# Altium PCB keyboard_main.PcbDoc (part 2 of 2)
Units mil, origin at the board's own origin, x right, y up, seen from the top; angles counter-clockwise.
Board outline 2610 x 2072.12 mil, 4 copper layers (Top Layer, GND, PWR, Bottom Layer), stack 64.646 mil thick; 116 components, 108 nets, 518 pads, 444 vias.
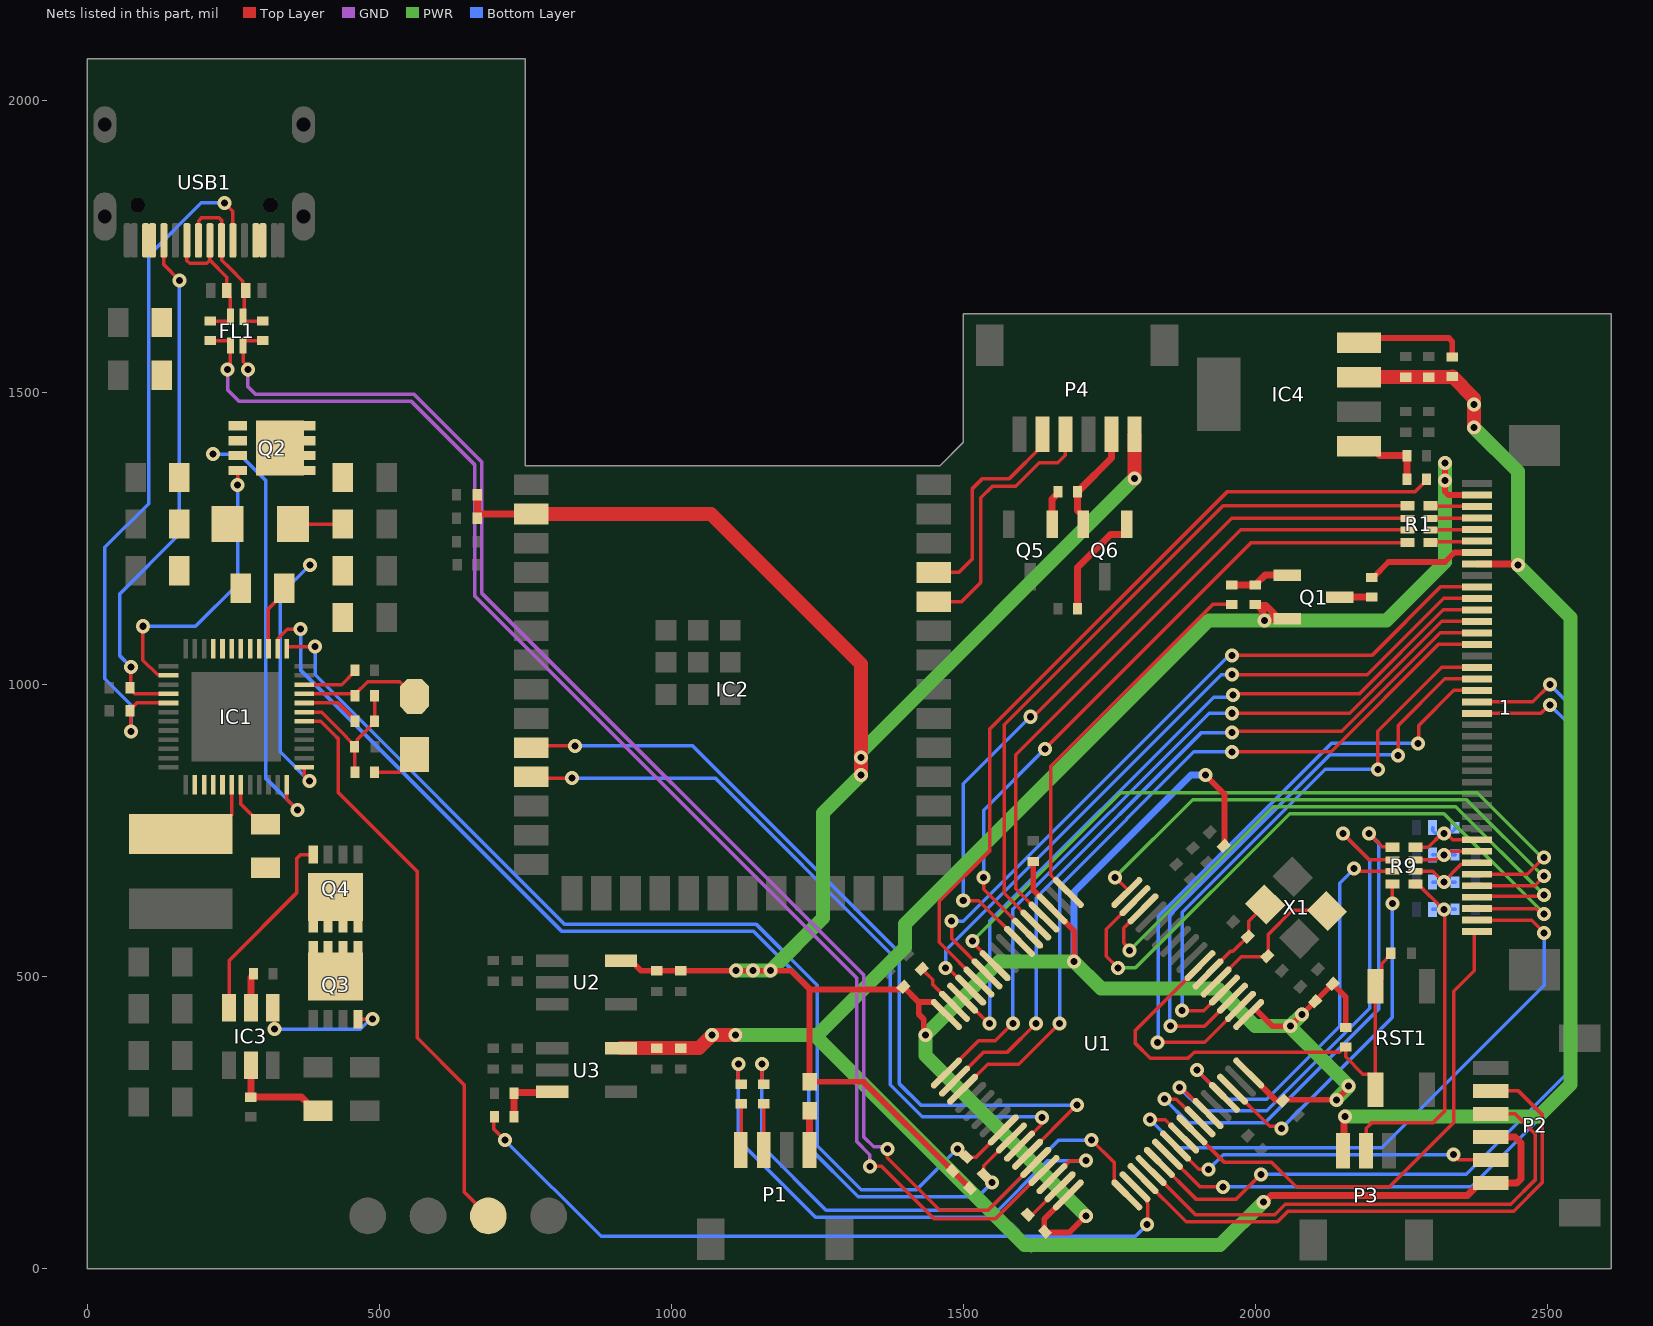
[diagram p4: the nets of this part, all layers, seen from the top]

## Via types
v1: diameter 24, hole 12, Top Layer to Bottom Layer, tented both sides, 444 vias

## Nets (pads, with @x,y where several pads share a name; then routed paths per layer and width w, separated by ;. In a path a pad name is that pad's centre, name@x,y a point inside that pad or via, vN(x,y) a via of type N, cw(c..) or ccw(c..) an arc to the next point about the centre after c; other vN are vias at no path point) (continued)
KEY_POS10: 1.20 U1.53 | length 1586.3
  Top Layer w6: U1.53@1835.78,181.78 1898.56,119 1967.67,119 v1(2010,161.33) ; 1.20@2380,950.91 2489.4,950.91 2503.49,965 v1(2505,965)
  Bottom Layer w6: v1(2010,161.33) 2361.33,161.33 2533,333 2533,937 v1(2505,965)
KEY_POS11: 1.21 U1.54 | length 1629.6
  Top Layer w6: U1.54@1849.71,195.7 1905.41,140 v1(1945,140) ; 1.21@2380,970.59 2475.59,970.59 v1(2505,1000)
  Bottom Layer w6: v1(1945,140) 2370,140 2545,315 2545,960 v1(2505,1000)
KEY_POS12: 1.22 U1.2 | length 1108.9
  Top Layer w6: v1(1832.65,387.35) 1913.3,387.35 U1.2@1974.98,449.03 ; v1(2279,899) 2279,900 2280,901 2280,930 2340.28,990.28 1.22@2380,990.28
  Bottom Layer w6: v1(1832.65,387.35) 1834,388.7 1834,602.94 2131.06,900 2278,900 v1(2279,899)
KEY_POS13: 1.23 U1.3 | length 1041.3
  Top Layer w6: v1(1855,415) 1913.12,415 U1.3@1961.06,462.94 ; v1(2245,879) 2245,930 2324.96,1009.96 1.23@2380,1009.96
  Bottom Layer w6: v1(1855,415) 1854,416 1854,605.97 2128.03,880 2244,880 v1(2245,879)
KEY_POS14: 1.24 U1.4 | length 971.8
  Top Layer w6: v1(1875,441.78) 1912.05,441.78 U1.4@1947.14,476.87 ; v1(2210,855) 2210,920 2319.65,1029.65 1.24@2380,1029.65
  Bottom Layer w6: v1(1875,441.78) 1875,610 2120,855 v1(2210,855)
KEY_SEG1: 1.31 U1.27 | length 1252.7
  Top Layer w6: v1(1480,595) 1480,565.2 1540.5,504.71 U1.27@1540.7,504.71 ; v1(1960,1050) 2200,1050 2317.44,1167.44 1.31@2380,1167.44
  Bottom Layer w6: v1(1480,595) 1500,595 1948.65,1043.65 1948.78,1043.65 1955.13,1050 v1(1960,1050)
KEY_SEG2: 1.30 U1.29 | length 1248.3
  Top Layer w6: v1(1470,515) 1473.37,515 1511.5,476.87 U1.29@1512.86,476.87 ; v1(1960,1017) 2192,1017 2322.76,1147.76 1.30@2380,1147.76
  Bottom Layer w6: v1(1470,515) 1470,545 1942,1017 v1(1960,1017)
KEY_SEG3: 1.29 U1.30 | length 1294.7
  Top Layer w6: U1.30@1498.94,462.94 1500.3,462.94 1543.24,420 v1(1545,420) ; v1(1961.85,982.15) 1963.7,984 2178.09,984 2322.16,1128.07 1.29@2380,1128.07
  Bottom Layer w6: v1(1545,420) 1545,595 1928.71,978.71 1958.41,978.71 v1(1961.85,982.15)
KEY_SEG4: 1.28 U1.33 | length 1343.5
  Top Layer w6: U1.33@1471.1,334.89 1526.21,390 1555,390 v1(1585,420) ; v1(1960,951) 2162.06,951 2319.44,1108.39 1.28@2380,1108.39
  Bottom Layer w6: v1(1585,420) 1585,615 1921,951 v1(1960,951)
KEY_SEG5: 1.27 U1.34 | length 1338.9
  Top Layer w6: U1.34@1485.02,320.97 1534.05,370 1575,370 v1(1625,420) ; v1(1960,918) 1962,920 2148.03,920 2316.73,1088.7 1.27@2380,1088.7
  Bottom Layer w6: v1(1625,420) 1625,635 1908,918 v1(1960,918)
KEY_SEG6: 1.26 U1.35 | length 1334.3
  Top Layer w6: U1.35@1498.94,307.06 1541.88,350 1595,350 v1(1665,420) ; v1(1960,885) 2130,885 2314.02,1069.02 1.26@2380,1069.02
  Bottom Layer w6: v1(1665,420) 1665,655 1895,885 v1(1960,885)
LCD_BLK: R4.1 U1.17 | length 653.3
  Top Layer w6: U1.17@1679.89,643.9 1650,673.79 1650,860 1927.29,1137.29 R4.1@1960,1137.29
LCD_EN: R14.1 U1.50 | length 1299.7
  Top Layer w6: R14.1@697.29,260 696.24,258.95 696.24,238.76 v1(715,220) ; U1.50@1794.03,140.02 1815.72,118.34 1815,117.62 1815,111.73 1815.72,111.01 1815.72,75.72 v1(1815,75)
  Bottom Layer w6: v1(715,220) 880,55 1795,55 v1(1815,75)
LED_EN: R23.1 U1.28 | length 1423.4
  Top Layer w6: U1.28@1526.78,490.78 1459,558.56 1459,629 1545,715 1545,923.35 1951.65,1330 2273.28,1330 2293.37,1350.1 R23.1@2293.37,1352.07
LEDA: 1.34 R7.1 | length 197.8
  Top Layer w10: R7.1@2200,1183.46 2201.97,1183.46 2228.5,1210 2325,1210 2341.5,1226.5 1.34@2380,1226.5
LEFT_A: 1.2 U1.56 | length 1094.5
  Top Layer w6: v1(1820,255) 1846.08,255 U1.56@1877.54,223.54 ; 1.2@2380,596.57 2473.43,596.57 v1(2495,575)
  Bottom Layer w6: v1(1820,255) 1868,207 2217,207 2495,485 v1(2495,575)
LEFT_B: 1.1 U1.57 | length 879.2
  Top Layer w6: U1.57@1891.46,237.45 1946.58,182.33 2027.67,182.33 2070,140 2230,140 2340,250 2340,475 2375,510 2375,573.98 2377.91,576.89 1.1@2380,576.89
LEFT_KEY: 1.6 U1.26 | length 1315.3
  Top Layer w6: v1(1516.22,561.22) 1516.22,558.38 1554.62,519.98 U1.26@1554.62,518.62 ; 1.6@2380,675.32 2466.08,675.32 v1(2495,704.24)
  PWR w6: v1(1516.22,561.22) 1770,815 2380,815 2490.76,704.24 v1(2495,704.24)
Net1_7: 1.7 C10.2 D3.1 R9.6 | length 166.2
  Top Layer w6: R9.6@2274.37,680.32 2304.39,680.32 v1(2323.03,661.67) 2323.03,662.57 2352.56,692.09 2377.09,692.09 1.7@2380,695
  Bottom Layer w6: D3.1@2303.78,661.67 v1(2323.03,661.67) C10.2@2342.29,661.67
Net1_8: 1.8 C9.2 D2.1 R9.7 | length 150.2
  Top Layer w6: R9.7@2274.37,700 2309.83,700 2318.16,708.33 v1(2323.03,708.33) 2327.9,708.33 2334.26,714.68 1.8@2380,714.68
  Bottom Layer w6: D2.1@2303.78,708.33 v1(2323.03,708.33) C9.2@2342.29,708.33
Net1_9: 1.9 C8.2 D1.1 R9.8 | length 170.5
  Top Layer w6: R9.8@2274.37,721.65 2296.65,721.65 2320,745 2327.9,745 2338.53,734.37 1.9@2380,734.37
  Bottom Layer w6: D1.1@2303.78,755 2303.78,750.08 2308.65,745.2 2322.83,745.2 v1(2323.03,745) 2326.19,748.16 2337.41,748.16 2342.29,753.03 C8.2@2342.29,755
Net1_35: 1.35 R1.5 | length 81.2
  Top Layer w6: R1.5@2300,1243.35 2301.42,1244.76 2378.58,1244.76 1.35@2380,1246.18
Net1_36: 1.36 R1.6 | length 80.4
  Top Layer w6: R1.6@2300,1265 2300.43,1265.43 2379.57,1265.43 1.36@2380,1265.87
Net1_37: 1.37 R1.7 | length 80.4
  Top Layer w6: R1.7@2300,1284.68 2300.43,1285.12 2379.57,1285.12 1.37@2380,1285.55
Net1_38: 1.38 R1.8 | length 80.5
  Top Layer w6: R1.8@2300,1306.34 2300.55,1305.79 2379.45,1305.79 1.38@2380,1305.24
NetC1_1: C1.1 U1.5 X1.3 | length 262.1
  Top Layer w6: U1.5@1933.22,490.78 1976.14,533.7 2019.32,533.7 C1.1@2020.72,535.09 2022.11,536.48 2022.11,572.11 2063.65,613.65 2121.54,613.65 X1.3@2122.94,612.26
NetC2_1: C2.1 U1.6 X1.1 | length 161.7
  Top Layer w6: U1.6@1919.3,504.71 1957.7,543.1 1961.92,543.1 1988.7,569.88 1988.7,594.94 X1.1@2017.15,623.39
NetC14_2: C14.2 U1.31 | length 87.3
  Top Layer w6: C14.2@1428.99,513.08 1447.7,494.37 1447.7,486.35 U1.31@1485.02,449.03
NetC15_2: C15.2 U1.47 | length 75.3
  Top Layer w6: C15.2@1610.71,92.27 1611.02,91.96 1617.91,91.96 U1.47@1665.97,140.02
NetC26_1: C26.1 C27.1 C28.1 C38.1 IC1.28 IC1.29 IC1.30 IC1.31 IC1.32 IC1.33 R13.1
NetC37_1: C37.1 IC1.7 | length 89.8
  Top Layer w6: IC1.7@262.87,828.86 262.87,795.55 297.5,760.93 C37.1@305,760.93
NetC37_2: C37.2 IC1.2 IC1.3 IC1.4 IC1.5 IC1.6 L1.2 | length 152.7
  Top Layer w6: L1.2@160,743.98 214.13,743.98 247.13,776.97 IC1.6@247.13,828.86
NetC48_1: C48.1 IC3.5 R19.1 | length 181
  Top Layer w12: IC3.5@280,348.39 R19.1@279.99,293.35 366.65,293.35 376,284 376,281.7 387.5,270.2 C48.1@395,270.2
NetF1_2: F1.2 P1.4 | length 67
  Top Layer w12: P1.4@1236.91,202.99 F1.2@1236.91,270
NetIC1_20: IC1.20 R25.2 | length 101.2
  Top Layer w6: IC1.20@371.14,968.62 429.11,968.62 458.27,939.47 R25.2@458.27,937.5
NetIC1_21: IC1.21 LED1.2 R27.2 | length 211.5
  Top Layer w6: IC1.21@371.14,984.37 455.14,984.37 R27.2@458.27,981.25 458.27,983.22 480.05,1005 534.74,1005 559.74,980 LED1.2@560,980
NetIC1_22: IC1.22 R20.1 | length 98.6
  Top Layer w6: IC1.22@371.14,1000.12 435.36,1000.12 458.27,1023.03 R20.1@458.27,1025
NetIC3_1: IC3.1 Q3.4 | length 239.3
  Top Layer w6: IC3.1@317.4,446.81 315,444.42 320,439.42 v1(320,410) ; Q3.4@463.39,427.17 v1(487.83,427.17)
  Bottom Layer w6: v1(320,410) 467.42,410 484.59,427.17 v1(487.83,427.17)
NetIC3_2: IC3.2 R21.1 | length 59.9
  Top Layer w12: IC3.2@280,446.81 280,498.78 284.25,503.03 R21.1@284.25,505
NetIC3_3: IC3.3 Q4.4 | length 334.4
  Top Layer w6: IC3.3@242.6,446.81 242.6,527.6 358.18,643.18 358.18,702.02 365.21,709.05 Q4.4@386.61,709.05
NetIC4_1: IC4.1 R22.2 R23.2 | length 129
  Top Layer w12: IC4.1@2177.7,1408.48 2197.39,1408.48 2213.8,1392.07 R22.2@2259.91,1392.07 R23.2@2259.91,1352.07
NetIC4_4: IC4.4 R24.1 | length 192.2
  Top Layer w10: IC4.4@2177.7,1585.65 2185.53,1593.48 2331.76,1593.48 2337.62,1587.62 R24.1@2337.62,1561.04
NetLED1_1: LED1.1 R26.2 | length 83.6
  Top Layer w6: R26.2@491.73,850 535,850 560,875 LED1.1@560,880
NetP1_1: P1.1 R2.2 | length 79.8
  Top Layer w6: P1.1@1118.8,202.99 1120,204.19 R2.2@1120,282.29
NetP1_2: P1.2 R3.2 | length 79.3
  Top Layer w6: P1.2@1158.17,202.99 R3.2@1158.17,282.29
NetQ1_1: Q1.1 R4.2 R6.1 | length 103
  Top Layer w12: R4.2@1960,1170.75 R6.1@2000,1170.75 2001.97,1170.75 2003.84,1172.63 2003.84,1174.59 2016.65,1187.4 Q1.1@2055,1187.4
NetQ1_3: Q1.3 R7.2 | length 55
  Top Layer w12: Q1.3@2145,1150 R7.2@2200,1150
NetQ3_5: Q3.5 Q3.6 Q3.7 Q3.8 Q4.5 Q4.6 Q4.7 Q4.8
NetQ5_1: Q5.1 R28.2 | length 59.1
  Top Layer w12: Q5.1@1652.4,1275 1652.4,1318.15 1662.29,1328.03 R28.2@1662.29,1330
NetQ6_1: Q6.1 R29.2 | length 193.8
  Top Layer w12: R29.2@1695.75,1130 1695.75,1200.75 1752.38,1257.38 1776.16,1257.38 1780,1261.22 Q6.1@1780,1275
NetR14_2: R14.2 R15.1 U3.3 | length 106.3
  Top Layer w12: R14.2@730.75,260 R15.1@730.75,300 732.05,301.3 794.65,301.3 U3.3@795.94,302.6
nRST: C3.1 R8.1 RST1.1 U1.7 | length 886.3
  Top Layer w6: U1.7@1905.38,518.62 1795,408.24 1795,385.32 1820.32,360 1885,360 1895.5,370.5 2144.29,370.5 2153.03,379.25 R8.1@2155,379.25 2155,370.81 2155,362.37 2184.43,332.95 2194.93,332.95 RST1.1@2205.71,322.17 ; RST1.1@2205.71,306.42 RST1.1@2205.71,322.17 ; C3.1@2232.28,540 2232.28,538.03 2216.49,522.24 2216.49,494.36 RST1.1@2205.71,483.58 RST1.1@2205.71,322.17
NTC: IC1.18 TP3.1 | length 994.6
  Top Layer w6: IC1.18@371.14,937.13 399.85,937.13 422,914.97 430,906.97 430,815 565,680 565,395 645,315 645,131.67 TP3.1@686.67,90
RES: R1.4 U1.22 | length 1157.4
  Top Layer w6: v1(1535,670) 1535,649.59 U1.22@1610.29,574.3 ; v1(1640,890) 1993.35,1243.35 R1.4@2260.63,1243.35
  Bottom Layer w6: v1(1535,670) 1535,785 v1(1640,890)
RGB: C11.2 D6.1 P3.2 R9.5 | length 637
  Top Layer w6: P3.2@2190,201.46 2190,240 2200,250 2305,250 2325,270 2325,613.03 v1(2323.03,615) 2321.97,615 2278.31,658.66 R9.5@2274.37,658.66
  Bottom Layer w6: D6.1@2303.78,615 v1(2323.03,615) C11.2@2342.29,615
RS: R1.3 U1.20 | length 1127.9
  Top Layer w6: U1.20@1638.13,602.14 1590,650.27 1590,880 1975,1265 R1.3@2260.63,1265
RTS: P4.2 Q6.2 R28.1 | length 182.8
  Top Layer w12: Q6.2@1705.2,1275 1705.2,1288.78 1695.75,1298.23 1695.75,1331.97 1697.63,1333.85 1699.59,1333.85 1754.06,1388.31 P4.2@1754.06,1428.54
SCL: R1.1 U1.21 | length 1211.6
  Top Layer w6: U1.21@1624.22,588.22 1570,642.44 1570,931.37 1944.96,1306.34 R1.1@2260.63,1306.34
SDA: R1.2 U1.23 | length 1274.2
  Top Layer w6: v1(1500,630) 1526.76,630 U1.23@1596.38,560.38 ; v1(1615,945) 1620,945 1959.68,1284.68 R1.2@2260.63,1284.68
  Bottom Layer w6: v1(1500,630) 1500,830 v1(1615,945)
SW_CC1: C16.1 IC1.41 USB1.A5 | length 1211
  Top Layer w6: v1(75,920) 73.86,921.14 73.86,953.86 C16.1@72.72,955 72.72,956.97 84.37,968.62 IC1.41@138.86,968.62 ; v1(235,1825) 249.21,1810.79 USB1.A5@249.21,1760.79
  Bottom Layer w6: v1(75,920) 75,965 30,1010 30,1235 105,1310 105,1735 195,1825 v1(235,1825)
SW_CC2: C17.1 IC1.40 USB1.B5 | length 900.1
  Top Layer w6: v1(75,1030) 73.86,1028.86 73.86,996.14 C17.1@72.72,995 72.72,993.03 81.38,984.37 IC1.40@138.86,984.37 ; USB1.B5@131.1,1760.79 131.1,1718.9 v1(157.5,1692.5)
  Bottom Layer w6: v1(75,1030) 55,1050 55,1155 157.5,1257.5 v1(157.5,1692.5)
SW_GATEC: IC1.38 Q2.4 | length 499.1
  Top Layer w6: v1(95,1100) 95,1042.08 120.27,1016.8 137.92,1016.8 IC1.38@138.86,1015.87 ; v1(257.17,1342.17) Q2.4@257.17,1366.61
  Bottom Layer w6: v1(95,1100) 185,1100 257.17,1172.17 v1(257.17,1342.17)
SW_KEY_A: 1.4 U1.14 | length 1080
  Top Layer w6: v1(1785,545) 1785,547.51 1775,557.51 1775,583.12 U1.14@1807.94,616.06 ; 1.4@2380,635.94 2381.84,637.78 2493.16,637.78 v1(2495,639.62)
  PWR w6: v1(1785,545) 2031,791 2343.62,791 v1(2495,639.62)
SW_KEY_B: 1.3 U1.15 | length 1172.7
  Top Layer w6: v1(1765,515) 1745,535 1745,580.95 U1.15@1794.03,629.98 ; 1.3@2380,616.26 2481.18,616.26 2490.13,607.31 v1(2495,607.31)
  PWR w6: v1(1765,515) 1795,515 2059,779 2323.31,779 v1(2495,607.31)
SW_KEY_NET2: 1.5 U1.16 | length 1001.7
  Top Layer w6: v1(1760,670) 1781.46,648.54 1781.46,645.26 U1.16@1780.11,643.9 ; 1.5@2380,655.63 2478.7,655.63 v1(2495,671.93)
  PWR w6: v1(1760,670) 1893,803 2362,803 2493.07,671.93 v1(2495,671.93)
SW_OUTP: C29.1 C30.1 C31.1 C32.1 C38.2 IC1.13 IC1.27 Q2.5 Q2.6 Q2.7 Q2.8 R13.2 | length 639.2
  Top Layer w6: IC1.27@310.12,1061.14 310.12,1130.22 337.4,1157.5 C38.2@337.4,1165 ; R13.2@352.09,1275 C29.1@437.6,1275 ; IC1.13@371.14,858.39 371.14,843.86 v1(380,835)
  Bottom Layer w6: v1(380,835) 330,885 330,1153.79 v1(380.89,1204.68)
SW_SCL: IC1.26 R16.2 U1.41 | length 1965.5
  Top Layer w6: IC1.26@325.87,1061.14 326.8,1062.08 326.8,1079.73 342.08,1095 v1(365,1095) ; v1(1549.29,146.92) R16.2@1535.25,160.96 1533.86,162.35 1533.86,169.25 1535.25,170.64 1535.25,176.34 U1.41@1582.46,223.54
  Bottom Layer w6: v1(365,1095) 365,1025 812,578 1140.03,578 1235,483.03 1235,208.03 1320.03,123 1525.37,123 v1(1549.29,146.92)
SW_SDA: IC1.25 R17.2 U1.40 | length 1859.9
  Top Layer w6: IC1.25@341.61,1061.14 341.61,1064.06 342.55,1065 v1(390,1065) ; v1(1490,205) 1504.04,190.96 R17.2@1505.25,190.96 1506.64,189.57 1513.54,189.57 1514.93,190.96 1522.05,190.96 U1.40@1568.54,237.45
  Bottom Layer w6: v1(390,1065) 390,1016.97 816.97,590 1145,590 1250,485 1250,210 1325,135 1420,135 v1(1490,205)
SW_VBUSC: C24.2 C25.2 IC1.12 Q2.1 Q2.2 Q2.3 USB1.A4 USB1.A9 USB1.B4 USB1.B9 | length 747.9
  Top Layer w6: IC1.12@341.61,828.86 341.61,803.39 v1(360,785)
  Bottom Layer w6: v1(215,1395) 260,1395 305,1350 305,840 v1(360,785)
SW_VCC: C46.2 IC1.19 R25.1 R26.1 R27.1 | length 258.3
  Top Layer w6: IC1.19@371.14,952.87 401.07,952.87 443.21,910.74 443.21,909.8 457.29,895.72 C46.2@457.29,893.75 ; R26.1@458.27,850 457.78,850.49 457.78,893.26 C46.2@457.29,893.75 ; R27.1@491.73,981.25 R25.1@491.73,937.5 491.73,935.53 462.16,905.96 462.16,898.62 C46.2@457.29,893.75
SWCLK/PA14: R3.1 U1.49 | length 954.6
  Top Layer w6: v1(1155,350) 1155,318.92 R3.1@1158.17,315.75 ; v1(1720,220) 1758.42,181.58 1758.42,147.79 U1.49@1780.11,126.1
  Bottom Layer w6: v1(1155,350) 1155,210 1265,100 1543.03,100 1663.03,220 v1(1720,220)
SWDIO/PA13: R2.1 U1.46 | length 927.1
  Top Layer w6: v1(1115,350) 1115,320.63 1119.87,315.75 R2.1@1120,315.75 ; U1.46@1652.06,153.94 1683.12,185 v1(1710,185)
  Bottom Layer w6: v1(1115,350) 1115,220 1247,88 1548,88 1645,185 v1(1710,185)
TOUCH: P2.2 U1.55 | length 570.4
  Top Layer w6: U1.55@1863.62,209.62 1903.24,170 v1(1920,170) ; v1(2340,195) 2349.06,185.94 P2.2@2403.54,185.94
  Bottom Layer w6: v1(1920,170) 1945,195 v1(2340,195)
U0RXD: IC2.36 P4.4 | length 450.2
  Top Layer w6: IC2.36@1449.49,1142.09 1497.09,1142.09 1530,1175 1530,1320 1550,1340 1590,1340 1630,1380 1662.17,1380 1674.71,1392.55 1674.71,1427.94 P4.4@1675.31,1428.54
U0TXD: IC2.37 P4.5 | length 365.6
  Top Layer w6: IC2.37@1449.49,1192.09 1492.09,1192.09 1515,1215 1515,1335 1533.02,1353.02 1579.12,1353.02 1635.94,1409.84 P4.5@1635.94,1428.54
UART4_RX: P2.4 U1.52 | length 883
  Top Layer w6: U1.52@1821.87,167.86 1897.73,92 2033.21,92 2051.21,110 2437.54,110 2480,152.46 2480,230 2445.31,264.68 P2.4@2403.54,264.68
UART4_TX: P2.5 U1.51 | length 963.6
  Top Layer w6: U1.51@1807.94,153.94 1881.88,80 2038.18,80 2056.18,98 2442.51,98 2492,147.49 2492,263 2450.94,304.06 P2.5@2403.54,304.06
USART1_RX: IC2.10 U1.43 | length 1441.9
  Top Layer w6: IC2.10@760.51,892.09 763.43,895 v1(835,895) ; U1.43@1610.29,195.7 1694.59,280 v1(1695,280)
  Bottom Layer w6: v1(835,895) 1036.97,895 1390,541.97 1390,316.97 1426.97,280 v1(1695,280)
USART1_TX: IC2.11 U1.42 | length 1313.2
  Top Layer w6: IC2.11@760.51,842.09 762.6,840 v1(830,840) ; U1.42@1596.38,209.62 1635,248.24 v1(1635,259)
  Bottom Layer w6: v1(830,840) 1075,840 1375,540 1375,315 1430,260 1634,260 v1(1635,259)
USB_FS_N: FL1.4 R11.1 U1.44 | length 2384.3
  Top Layer w6: v1(275,1540) 275,1544.87 266.65,1553.22 FL1.4@266.65,1580.79 266.65,1586.34 269.56,1589.25 R11.1@300,1589.25 ; v1(1370,205) 1370,190 1460,100 1542.44,100 U1.44@1624.22,181.78
  GND w6: v1(275,1540) 275,1510 288,1497 559.97,1497 675,1381.97 675,1156.97 1330,501.97 1330,225 1346.56,208.44 1366.56,208.44 v1(1370,205)
USB_FS_P: FL1.1 R10.1 U1.45 | length 2447.8
  Top Layer w6: R10.1@210,1589.25 242.09,1589.25 245,1586.34 245,1549.87 240,1544.87 v1(240,1540) ; v1(1340,175) 1360,175 1450,85 1555.27,85 U1.45@1638.13,167.86
  GND w6: v1(240,1540) 240,1505 260,1485 555,1485 663,1377 663,1152 1318,497 1318,217 1340,195 v1(1340,175)
USB_N: D5.1 FL1.3 R11.2 USB1.A7 USB1.B7 | length 300.8
  Top Layer w6: USB1.A7@190.16,1760.79 190.59,1761.22 190.59,1794.78 195.81,1800 225,1800 229.66,1795.35 229.66,1760.91 USB1.B7@229.53,1760.79 230.23,1760.08 230.23,1727.06 244.21,1713.08 266.35,1690.95 266.35,1679.87 D5.1@271.22,1675 268.94,1672.72 268.94,1632.28 FL1.3@266.65,1630 266.65,1625.62 269.56,1622.71 R11.2@300,1622.71
USB_P: D4.1 FL1.2 R10.2 USB1.A6 USB1.B6 | length 297.7
  Top Layer w6: USB1.B6@170.34,1760.66 170.34,1726.23 175,1721.57 204.19,1721.57 209.41,1726.79 209.41,1760.35 USB1.A6@209.84,1760.79 209.84,1726.79 238.78,1697.85 238.78,1670.08 245,1663.86 FL1.2@245,1630 245,1625.62 242.09,1622.71 R10.2@210,1622.71
VCC3V3: C4.2 C5.2 C6.2 C7.2 C12.2 C13.2 C20.1 C21.1 C43.2 C44.2 F1.1 IC2.2 P4.1 R8.2 R12.1 R16.1 R17.1 U1.1 U1.19 U1.32 U1.48 U1.64 U2.5 | length 6216.1
  Top Layer w10: U2.5@914.06,527.4 930.79,527.4 948.19,510 C20.1@975,510 C21.1@1016.43,510 v1(1110.71,510) v1(1140,510) v1(1170,510) 1205,510 1236.91,478.09 ; v1(1435,400.08) 1432.35,402.73 1432.35,427.08 1423.79,435.64 1423.79,456.2 ; U1.32@1471.1,435.11 1450,456.2 1423.79,456.2 ; R16.1@1511.59,137.3 R17.1@1481.59,167.3 1328.89,320 F1.1@1236.91,320 1236.91,478.09 ; C5.2@1620,697.29 1620,648.12 U1.19@1652.06,616.06 1690,578.12 v1(1690,526) ; U1.48@1679.89,126.1 1638.64,84.84 1638.64,64.34 C12.2@1640.03,62.95 1641.42,61.56 1681.56,61.56 v1(1710,90) ; v1(1915,845) 1947.53,812.47 1947.53,725.26 R12.1@1946.14,723.86 ; U1.64@1988.9,334.89 2036.27,287.53 2040.63,287.53 2042.02,286.14 2046.09,286.14 C13.2@2047.48,287.53 2048.87,288.92 v1(2138.92,288.92) 2160,310 v1(2160,312.5) ; U1.1@1988.9,435.11 1998.93,445.13 1999.6,445.13 2029.73,415 v1(2060.05,415) v1(2080.16,435.11) C7.2@2102.52,457.47 C6.2@2132.52,487.47 2155,464.99 R8.2@2155,412.71 ; 1236.91,478.09 1389.07,478.09 1393.46,482.47 C4.2@1397.52,482.47 1423.79,456.2
  Top Layer w12: C44.2@667.71,1285 C44.2@667.71,1286.97 ; C43.2@667.71,1325 C44.2@667.71,1286.97 ; IC2.2@760.51,1292.09 672.83,1292.09 C44.2@667.71,1286.97
  Top Layer w24: IC2.2@760.51,1292.09 1067.91,1292.09 1325,1035 v1(1325,875) v1(1325,845) ; v1(1793.43,1353.43) P4.1@1793.43,1428.54
  PWR w24: v1(1110.71,510) v1(1140,510) v1(1170,510) 1260,600 1260,780 v1(1325,845) 1325,885 v1(1793.43,1353.43) ; v1(1710,90) 1435,365 v1(1435,400.08) 1560.92,526 v1(1690,526) 1736,480 1935,480 2000,415 v1(2060.05,415) ; v1(2080.16,435.11) v1(2060.05,415) ; v1(2138.92,288.92) 2138.92,290.17 2160,311.25 v1(2160,312.5) 2160,313.78 2060.05,413.72 v1(2060.05,415)
  Bottom Layer w10: v1(2060.05,415) v1(2080.16,435.11) ; v1(2138.92,288.92) 2138.92,290.17 2160,311.25 v1(2160,312.5)
  Bottom Layer w12: v1(1690,526) 1690,645 1890,845 v1(1915,845)
VCC3V3_1A: 1.33 C51.1 C52.1 IC4.3 P3.1 R24.2 | length 2036.2
  Top Layer w12: P3.1@2150.63,201.46 2152.28,203.1 2152.28,258.35 v1(2153.92,260) ; 1.33@2380,1206.81 2448.19,1206.81 v1(2450,1205)
  Top Layer w24: IC4.3@2177.7,1526.59 C52.1@2257.62,1526.59 C51.1@2297.62,1526.59 2336.63,1526.59 R24.2@2337.62,1527.57 2375,1490.19 v1(2375,1480) v1(2375,1440)
  PWR w24: v1(2153.92,260) 2485,260 2540,315 2540,1115 v1(2450,1205) 2450,1365 v1(2375,1440) v1(2375,1480)
VCC_LCD: 1.39 C41.1 C42.1 P2.1 P2.3 Q1.2 R6.2 U3.5 | length 3758.1
  Top Layer w10: v1(2325,1380) 2325,1330.78 2330.86,1324.92 1.39@2380,1324.92
  Top Layer w12: v1(2014.21,114.21) 2016.45,114.21 2027.24,125 2363.27,125 2384.84,146.57 2447.97,146.57 2455,153.6 2455,215 2445,225 2403.86,225 P2.3@2403.54,225.32 ; R6.2@2003.84,1135.41 2013.64,1125.62 2013.64,1112.3 v1(2015.93,1110) 2017.23,1111.3 2053.7,1111.3 Q1.2@2055,1112.6 2041.22,1112.6 2018.41,1135.41 R6.2@2003.84,1135.41 ; R6.2@2003.84,1135.41 2001.97,1137.29 R6.2@2000,1137.29 2001.87,1135.41 R6.2@2003.84,1135.41
  Top Layer w24: U3.5@914.06,377.4 C41.1@975,377.4 C42.1@1016.43,377.4 1047.4,377.4 v1(1070,400) v1(1110,400)
  PWR w24: v1(1070,400) v1(1110,400) 1245,400 1605,40 1940,40 v1(2014.21,114.21) ; 1247.5,397.5 1400,550 1400,590 1920,1110 v1(2015.93,1110) 2225,1110 2325,1210 v1(2325,1350) v1(2325,1380)
WS2812_CTR1: R9.1 U1.58 | length 897.4
  Top Layer w6: v1(1845,290) 1865,290 1880.01,274.99 1880.41,274.99 1904.02,251.38 U1.58@1905.38,251.38 ; v1(2195,745) 2217.7,722.3 2234.36,722.3 R9.1@2235,721.65
  Bottom Layer w6: v1(1845,290) 1885,250 2016.97,250 2212,445.03 2212,728 v1(2195,745)
WS2812_CTR2: R9.2 U1.59 | length 905.4
  Top Layer w6: v1(1870.09,310.37) 1872.86,310.37 1917.94,265.29 U1.59@1919.3,265.29 ; v1(2150,745) 2195,700 R9.2@2235,700
  Bottom Layer w6: v1(1870.09,310.37) 1870.09,309.91 1910,270 2020,270 2196,446 2196,699 v1(2150,745)
WS2812_CTR3: R9.3 U1.61 | length 731.9
  Top Layer w6: v1(1900,340) 1900.14,340 1947,293.13 U1.61@1947.14,293.13 ; v1(2169,685) 2170,685 2174.68,680.32 R9.3@2235,680.32
  Bottom Layer w6: v1(1900,340) 1950,290 2020,290 2145,415 2145,660 2169,684 v1(2169,685)
WS2812_CTR4: R9.4 U1.62 | length 609.1
  Top Layer w6: U1.62@1961.06,307.06 2024.67,243.44 2041.56,243.44 v1(2045,240) ; v1(2235,625) R9.4@2235,658.66
  Bottom Layer w6: v1(2045,240) 2235,430 v1(2235,625)
pads on no net: 1.0 IC1.1 IC1.8 IC1.9 IC1.10 IC1.11 IC1.14 IC1.15 IC1.16 IC1.34 IC1.35 IC1.36 IC1.37 IC1.39 IC1.42 IC1.43 IC1.44 IC1.45 IC1.46 IC1.47 IC1.48 IC2.4 IC2.5 IC2.6 IC2.7 IC2.8 IC2.9 IC2.12 IC2.13 IC2.14 IC2.15 IC2.16 IC2.17 IC2.18 IC2.19 IC2.20 IC2.21 IC2.22 IC2.23 IC2.24 IC2.25 IC2.26 IC2.28 IC2.29 IC2.30 IC2.31 IC2.32 IC2.33 IC2.34 IC2.35 IC2.38 IC2.39 IC3.4 P1.MP1 P1.MP2 P2.MP1 P2.MP2 P3.MP1 P3.MP2 P4.MP1 P4.MP2 U2.4 U3.4 USB1.0 USB1.1 USB1.2 USB1.3 USB1.4 USB1.A8 USB1.B8

## Polygon pours and split planes (outlines as drawn)
GND on Top Layer "NONET_L-01_P-001" (solid, remove dead copper, pour order 20): -50,2140 -50,-50 -45,-55 2705,-55 2705,2140
VCC3V3 on Top Layer "NONET_L-01_P-001" (solid, remove dead copper, pour order 16): 885,555 885,520 905,500 1085,500 1100,485 1185,485 1220,450 1220,305 1325,305 1505,125 1525,125 1530,130 1275,385 1275,430 1380,430 1430,380 1465,380 1495,410 1410,495 1390,495 1380,485 1290,485 1215,560 890,560
BAT+ on Top Layer "NONET_L-01_P-001" (solid, remove dead copper, pour order 14): 675,520 680,515 825,515 830,510 830,475 820,465 690,465 675,450 675,370 685,360 825,360 860,395 860,545 855,550 680,550 675,545
SW_VBUSC on Top Layer "NONET_L-01_P-001" (solid, remove dead copper, pour order 12): 78.82,1828.82 95,1812.64 95,1665 85,1655 85,1550 115,1520 140,1520 170,1550 170,1635 120,1685 120,1810 145,1835 255,1835 285,1805 285,1730 290,1725 300,1725 305,1730 305,1845 265,1885 135,1885
SW_VBUSC on Top Layer "NONET_L-01_P-001" (solid, remove dead copper, pour order 10): 275,1380 190,1380 85,1485 85,1655 170,1655 170,1500 215,1455 275,1455
BAT- on Top Layer "NONET_L-01_P-001" (solid, remove dead copper, pour order 9): 510,315 540,285 540,60 555,45 615,45 630,60 630,315 560,385 465,385 445,405 445,445 375,445 375,410 345,380 305,380 305,315
BAT- on Top Layer "NONET_L-01_P-001" (solid, remove dead copper, pour order 7): 445,445 445,405 470,380 500,380 500,315 305,315 305,380 345,380 375,410 375,445
BAT+ on Top Layer "NONET_L-01_P-001" (solid, remove dead copper, pour order 6): 260,275 300,275 335,240 425,240 450,265 450,290 455,295 515,295 520,290 520,165 515,160 295,160 260,195
BAT+ on Top Layer "NONET_L-01_P-001" (solid, remove dead copper, pour order 5): 70,650 70,585 85,570 120,570 135,555 135,245 155,225 335,45 505,45 520,60 520,235 300,235 220,315 220,545 250,575 250,650
NetC37_1 on Top Layer "NONET_L-01_P-001" (solid, remove dead copper, pour order 4): 260,845 260,755 275,740 335,740 335,780 325,790 285,790 270,805 270,845
NetC37_2 on Top Layer "NONET_L-01_P-001" (solid, remove dead copper, pour order 3): 184.13,845 184.13,814.1 160.03,790 70,790 70,700 220,700 265,655 340,655 340,715 285,715 250,750 250,845
SW_OUTP on Top Layer "NONET_L-01_P-001" (solid, remove dead copper, pour order 2): 315,1140 380,1140 430,1090 465,1090 465,1370 385,1450 285,1450 285,1335 315,1305
no net on Top Layer "NONET_L-01_P-001" (solid, remove dead copper, pour order 1): 325,1315
NetC26_1 on Top Layer "NONET_L-01_P-001" (solid, remove dead copper, pour order 0): 140,1390 130,1380 130,1170 210,1090 210,1045 300,1045 300,1120 280,1140 280,1305 270,1315 250,1315 175,1390
GND on Bottom Layer "NONET_L-01_P-001" (solid, remove dead copper, pour order 19): -90,2160 -90,-120 2670,-120 2670,2160
BAT+ on Bottom Layer "NONET_L-01_P-001" (solid, remove dead copper, pour order 15): 670,465 670,405 520,255 520,200 495,175 345,175 345,45 600,45 685,130 685,260 805,380 805,465
VCC3V3 on PWR "NONET_L-01_P-001" (solid, remove dead copper, pour order 17): 1565,580 1410,425 1410,330 1675,65 1965,65 2205,305 2205,475 2100,580
GND on GND "NONET_L-01_P-001" (solid, remove dead copper, pour order 18): -40,2110 -40,-85 2720,-85 2720,2110

## Keep-outs
Keep-Out Layer:
  the board outline again, w6

## Other copper
Top Layer:
  rectangle net VCC_LCD: 1990,1100 2085,1145
  rectangle net NetQ3_5: 375,460 475,675
  pour cut-out: 194.16,1636.59 194.16,1575.37 315.85,1575.37 315.85,1636.59
  pour cut-out: 1843.86,690.6 1921.8,768.54 1923.87,768.54 1940,752.41 1940,745 1939.57,745 1887.96,693.39 1867.53,693.39 1854.3,680.16
  pour cut-out: 1908.79,361.33 1928.86,341.26 1928.86,331.33 1951.33,331.33 1995,375 2155.36,375 2169.13,361.23 2200,392.1 2200,490 2185,505 2115,435 1982.47,435
  pour cut-out: 2180.92,324.47 2150,293.55 2150,245 2160,235 2165,240 2225,240 2225,341.46 2225.49,341.94 2193.97,341.94 2174.79,322.76
  pour cut-out: 2185,1240 2185,1198.18 2208.03,1221.22 2320.35,1221.22 2320.35,1228.29 2327.66,1235.59
  pour cut-out: 2134.3,1609.36 2134.3,1384.76 2141.6,1392.07 2213.8,1392.07 2213.8,1397 2221.1,1404.3 2221.1,1609.36
  pour cut-out: 1944.16,1123.41 2011.43,1123.41 2015,1126.98 2015,1260 1980,1260 1965,1245
  pour cut-out: 1944.16,1190.69 1944.16,1171.94 1944.16,1123.41 2011.43,1123.41 2016.65,1128.63 2016.65,1199.64
  pour cut-out: 1600,885 1600,795 1605,790 1610,795 1645,795 1645,882.02 1657.46,894.48
  pour cut-out: 1706.74,70 1803.26,70 1753.26,120 1753.26,155
  pour cut-out: 1833.35,75 1874.89,75 1832.62,117.27 1831.63,117.27
  pour cut-out: 1455,160 1450,155 1450,120 1455,120 1475,100 1496.59,121.59 1496.59,152.3
  pour cut-out: 1411.32,318.98 1411.32,306.32 1385,280 1470,195 1470,185 1496.04,185 1530.23,219.2
  pour cut-out: 1475,385 1490.65,369.35 1490.65,367.42 1499.53,367.42 1536.28,404.18 1521.77,418.69 1521.77,441.47
  pour cut-out: 641.49,122.2 641.49,68.51 670,40 745,40 745,125 730,140 653.33,140 645,131.67
  pour cut-out: 335,45 335,10 340,5 820,5 820,15 785,50 775.41,40.41 550.41,40.41
  pour cut-out: 220,430 220,375 225,370 235,380 345,380 375,410 375,427.5
  pour cut-out: 235,470 310,470 310,530 310,582.02 255.57,527.6 242.6,527.6
  pour cut-out: 341.49,771.3 340,769.8 340,715 384.69,715 400.82,731.14 400.82,824.77 375.23,824.77 351.55,848.45
  pour cut-out: 56.65,1030 56.65,914.37 75.33,895.69 116.13,895.69 116.13,1026.13 125,1035
  pour cut-out: 95,1100 190,1100 200,1090 200,1055 100,1055 95,1060
  pour cut-out: 85,1485 85,1418.51 123.51,1380 140,1396.49 157.79,1396.49 157.79,1399.2 159.7,1401.11
Bottom Layer:
  rectangle net RGB: 2295,601.67 2355,626.67
  rectangle net Net1_7: 2295,648.33 2355,673.33
  rectangle net Net1_8: 2295,695 2355,720
  rectangle net Net1_9: 2295,735 2350,770
  pour cut-out: 2290.41,774.59 2292.51,772.49 2292.51,596.21 2358.72,596.21 2365,602.48 2365,775
  pour cut-out: 1900,340 1850,290 1845,290 1885,250 2016.97,250 2016.97,286.97 2020,290 1950,290

## Silkscreen, mask and mechanical layers (free items; w line width, h text height)
Top Overlay:
  text "G" at 1570,1350.67 h60
  text "T" at 1620,1350 h60
  text "R" at 1655,1350 h60
  text "D" at 1695,1350 h60
  text "R" at 1735,1350 h60
  text "V" at 1810,1350 h60
  text "ESP32S3_ISP" at 1916.13,1325 h50 r90
  text "LLQ-82" at 1620,874.44 h200
  text "JLCJLCJLCJLC" at 865,750.67 h60
  text "FPC40" at 2350,425.67 h60
  text "B+" at 495,145 h60 r90
  text "B-" at 600,145 h60 r90
  text "N" at 710,145 h60 r90
  text "G" at 809.33,145 h60 r90
  text "SWD" at 1310,120.67 h60
  text "TOUCH" at 2350,30.67 h60
Bottom Overlay:
  text "|KEYBOARD|" at 2071.24,1207.77 h200
  text "Version-0.0.3" at 2071.24,1018.79 h160
  text "|Designer By SEASKY|" at 2071.24,850.22 h160
  text "2021/10/15" at 2071.24,637.22 h200
  text "| LLQ-82 |" at 2071.24,437.76 h200
Mechanical 1:
  circle w6: c658.11,1875.28 r62.99
  circle w6: c2472.2,1532.2 r62.99
  circle w6: c137.8,137.8 r62.99
  lines w6: 0,0 2610,0 2610,1635 1500,1635 1500,1415 1460,1375 750,1375 750,2072.12 0,2072.12 0,0